# Altium PCB SPEC-A7.PcbDoc (part 1 of 10) (continued)
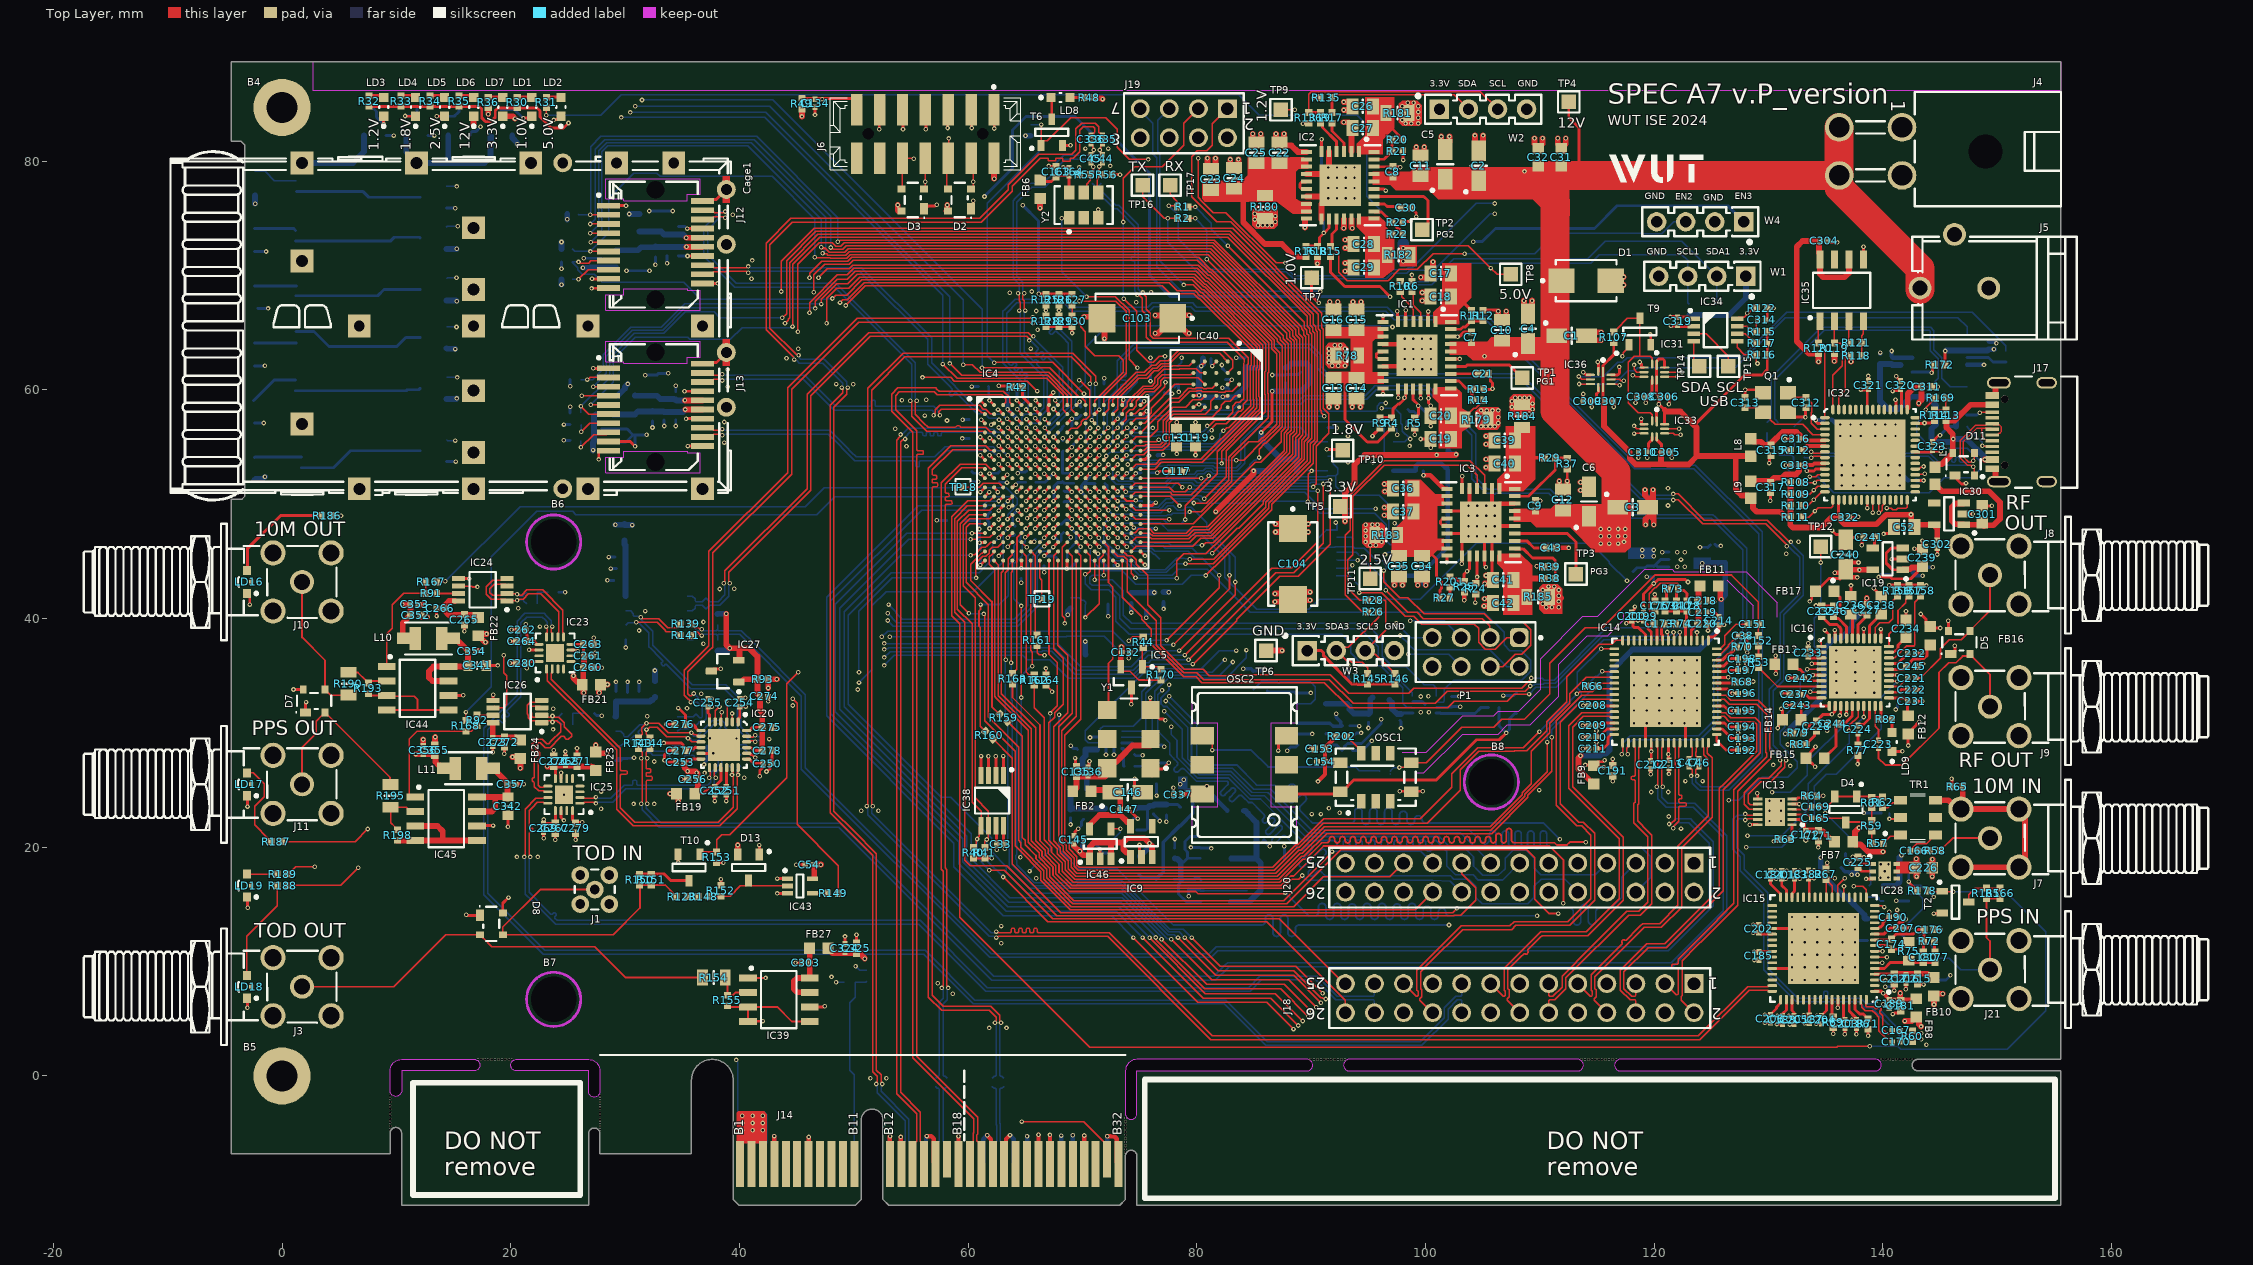
[diagram p0: Top Layer view]
## Components (designator, comment, footprint, x,y, rotation, side; value= is the part's Value field where it differs from the comment) (continued)
C64 "100nF" CAPC0603X33N 61.442,54.082 r0 bottom
C65 "100nF" CAPC0603X33N 63.131,55.18 r180 bottom
C66 "100nF" CAPC0603X33N 61.468,59.1 r0 bottom
C67 "4.7uF" CAPC1005X55N 61.336,60.277 r0 bottom
C68 "47uF" CAPC1608X100N 58.923,48.593 r0 bottom
C69 "470nF" CAPC0603X33N 61.336,48.593 r180 bottom
C70 "470nF" CAPC0603X33N 65.389,50.236 r180 bottom
C71 "470nF" CAPC0603X33N 73.617,53.458 r180 bottom
C72 "470nF" CAPC0603X33N 76.237,54.28 r180 bottom
C73 "470nF" CAPC0603X33N 75.368,56.673 r180 bottom
C74 "470nF" CAPC0603X33N 71.89,60.15 r270 bottom
C75 "470nF" CAPC0603X33N 73.541,58.245 r45 bottom
C76 "470nF" CAPC0603X33N 69.86,58.134 r270 bottom
C77 "470nF" CAPC0603X33N 71.852,55.466 r45 bottom
C78 "470nF" CAPC0603X33N 68.702,56.848 r0 bottom
C79 "470nF" CAPC0603X33N 74.671,59.134 r180 bottom
C80 "470nF" CAPC0603X33N 82.494,61.242 r90 bottom
C81 "4.7uF" CAPC1005X55N 76.703,59.769 r180 bottom
C82 "4.7uF" CAPC1005X55N 75.944,61.788 r270 bottom
C83 "47uF" CAPC1608X100N 78.303,61.293 r270 bottom
C84 "4.7uF" CAPC1005X55N 60.32,52.403 r270 bottom
C85 "4.7uF" CAPC1005X55N 62.733,52.403 r270 bottom
C86 "470nF" CAPC0603X33N 68.328,46.726 r0 bottom
C87 "470nF" CAPC0603X33N 62.325,49.341 r0 bottom
C88 "470nF" CAPC0603X33N 72.385,44.656 r0 bottom
C89 "470nF" CAPC0603X33N 61.071,45.662 r90 bottom
C90 "470nF" CAPC0603X33N 66.642,44.97 r90 bottom
C91 "470nF" CAPC0603X33N 75.623,47.872 r180 bottom
C92 "470nF" CAPC0603X33N 70.73,56.259 r270 bottom
C93 "470nF" CAPC0603X33N 64.101,47.722 r270 bottom
C94 "470nF" CAPC0603X33N 65.47,52.885 r180 bottom
C95 "470nF" CAPC0603X33N 69.585,45.428 r90 bottom
C96 "470nF" CAPC0603X33N 75.56,50.244 r180 bottom
C97 "470nF" CAPC0603X33N 64.631,43.853 r90 bottom
C98 "470nF" CAPC0603X33N 65.876,47.279 r90 bottom
C99 "470nF" CAPC0603X33N 75.488,45.088 r90 bottom
C100 "4.7uF" CAPC1005X55N 74.25,41.8 r90 bottom
C101 "4.7uF" CAPC1005X55N 77.084,41.862 r90 bottom
C102 "47uF" CAPC1608X100N 75.56,41.481 r90 bottom
C103 "330uF" CAPMP7343X190N 74.787,66.263 r180 top
C104 "330uF" CAPMP7343X190N 88.387,44.783 r270 top
C105 "100nF" CAPC0603X33N 69.07,53.071 r270 bottom
C106 "470nF" CAPC0603X33N 68.245,52.344 r90 bottom
C107 "4.7uF" CAPC1005X55N 67.054,50.229 r180 bottom
C108 "4.7uF" CAPC1005X55N 68.322,47.977 r90 bottom
C109 "4.7uF" CAPC1005X55N 69.648,51.83 r0 bottom
C110 "4.7uF" CAPC1005X55N 71.526,51.819 r180 bottom
C111 "4.7uF" CAPC1005X55N 66.281,48.643 r0 bottom
C112 "4.7uF" CAPC1005X55N 69.362,49.406 r0 bottom
C113 "470nF" CAPC0603X33N 71.456,48.285 r270 bottom
C114 "470nF" CAPC0603X33N 71.513,53.043 r90 bottom
C115 "470nF" CAPC0603X33N 71.513,50.665 r90 bottom
C116 "470nF" CAPC0603X33N 69.483,55.508 r45 bottom
C117 "4.7uF" CAPC1005X55N 78.227,52.886 r180 top
C118 "4.7uF" CAPC1005X55N 75.563,52.754 r0 bottom
C119 "47uF" CAPC1608X100N 79.878,55.832 r270 top
C120 "470nF" CAPC0603X33N 66.267,51.074 r180 bottom
C121 "470nF" CAPC0603X33N 70.661,53.036 r270 bottom
C122 "470nF" CAPC0603X33N 65.876,55.508 r270 bottom
C123 "470nF" CAPC0603X33N 67.466,55.457 r270 bottom
C124 "470nF" CAPC0603X33N 66.952,47.86 r0 bottom
C125 "470nF" CAPC0603X33N 69.882,48.274 r270 bottom
C126 "470nF" CAPC0603X33N 70.684,49.908 r90 bottom
C127 "470nF" CAPC0603X33N 70.659,48.288 r90 bottom
C128 "470nF" CAPC0603X33N 66.359,54.241 r0 bottom
C129 "470nF" CAPC0603X33N 69.889,53.057 r90 bottom
C130 "470nF" CAPC0603X33N 69.976,54.601 r90 bottom
C131 "47uF" CAPC1608X100N 78.227,55.832 r270 top
C132 "100nF" CAPC0603X33N 73.782,37.036 r180 top
C133 "100nF" CAPC0603X33N 99.436,52.911 r180 bottom
C134 "100nF" CAPC0603X33N 46.604,85.058 r90 top
C135 "4.7uF" CAPC1005X55N 69.464,26.622 r270 top
C136 "100nF" CAPC0603X33N 70.48,26.622 r270 top
C137 "100nF" CAPC0603X33N 69.91,28.554 r0 bottom
C138 "10nF" CAPC1005X55N 74.55,28.5 r90 bottom
C139 "100nF" CAPC2012X88N 76.446,26.455 r90 bottom
C140 "4.7uF" CAPC1005X55N 77.335,23.28 r90 bottom
C141 "100nF" CAPC0603X33N 76.192,23.28 r90 bottom
C142 "4.7uF" CAPC1005X55N 70.096,22.899 r90 bottom
C143 "100nF" CAPC0603X33N 68.953,22.93 r90 bottom
C144 "4.7uF" CAPC1005X55N 70.55,20.5 r180 bottom
C145 "100nF" CAPC0603X33N 69.25,20.65 r270 top
C146 "10uF" CAPMP3216X180N 73.95,24.8 r0 top
C147 "100nF" CAPC0603X33N 73.655,23.32 r180 top
C148 "100nF" CAPC0603X33N 97.85,31.3 r90 bottom
C149 "10nF" CAPC1005X55N 102.25,32.8 r270 bottom
C150 "100nF" CAPC2012X88N 107.95,32.6 r270 bottom
C151 "10nF" CAPC1005X55N 128.65,39.5 r180 top
C152 "10nF" CAPC1005X55N 129.116,38.07 r270 top
C153 "4.7uF" CAPC1005X55N 90.75,28.6 r0 top
C154 "100nF" CAPC0603X33N 90.85,27.5 r0 top
C155 "4.7uF" CAPC1005X55N 86.15,34.1 r90 bottom
C156 "100nF" CAPC0603X33N 87.15,34 r90 bottom
C157 "10uF" CAPMP3216X180N 93.35,33.4 r90 bottom
C158 "100nF" CAPC0603X33N 95,31.283 r90 bottom
C159 "4.7uF" CAPC1005X55N 78.05,19.5 r270 bottom
C160 "100nF" CAPC0603X33N 79.25,16.7 r90 bottom
C161 "10uF" CAPMP3216X180N 86.35,19 r0 bottom
C162 "100nF" CAPC0603X33N 85.55,20.6 r180 bottom
C163 "4.7uF" CAPC1005X55N 67.686,79.073 r270 top
C164 "100nF" CAPC0603X33N 68.829,79.073 r270 top
C165 "100nF" CAPC0603X33N 134.123,22.536 r180 top
C166 "100nF" CAPC0603X33N 142.75,19.7 r180 top
C167 "100nF" CAPC0603X33N 141.17,3.991 r180 top
C168 "100nF" CAPC0603X33N 140.2,23 r180 bottom
C169 "100nF" CAPC0603X33N 134.123,23.552 r180 top
C170 "100nF" CAPC0603X33N 141.17,2.975 r180 top
C171 "4.7uF" CAPC1005X55N 134.35,21 r90 top
C172 "100nF" CAPC0603X33N 133.25,21.1 r90 top
C173 "33pF" CAPC1005X55N 120.44,39.547 r0 top
C174 "150pF" CAPC1005X55N 140.727,11.53 r270 top
C175 "220nF" CAPC1005X55N 120.05,41.1 r270 top
C176 "220nF" CAPC1005X55N 144.029,12.8 r180 top
C177 "10nF" CAPC1005X55N 144.537,10.387 r90 top
C178 "33pF" CAPC1005X55N 122.85,41.1 r270 top
C179 "220nF" CAPC1005X55N 120.95,41.1 r90 top
C180 "470pF" CAPC1005X55N 143.521,10.387 r90 top
C181 "4.7uF" CAPC1005X55N 141.556,6.153 r90 top
C182 "100nF" CAPC0603X33N 133.488,17.626 r270 top
C183 "100nF" CAPC0603X33N 132.25,17.6 r270 top
C184 "100nF" CAPC0603X33N 130.15,17.6 r270 top
C185 "100nF" CAPC0603X33N 129.15,10.5 r90 top
C186 "100nF" CAPC0603X33N 137.679,4.545 r90 top
C187 "100nF" CAPC0603X33N 133.552,4.958 r90 top
C188 "100nF" CAPC0603X33N 131.202,4.895 r90 top
C189 "100nF" CAPC0603X33N 140.55,6.3 r90 top
C190 "100nF" CAPC0603X33N 140.886,13.896 r180 top
C191 "4.7uF" CAPC1005X55N 116.37,26.708 r90 top
C192 "100nF" CAPC0603X33N 127.679,28.498 r180 top
C193 "100nF" CAPC0603X33N 127.679,29.514 r180 top
C194 "100nF" CAPC0603X33N 127.679,30.53 r180 top
C195 "100nF" CAPC0603X33N 127.679,31.927 r180 top
C196 "100nF" CAPC0603X33N 127.679,33.451 r180 top
C197 "100nF" CAPC0603X33N 127.679,35.483 r180 top
C198 "100nF" CAPC0603X33N 127.679,36.499 r180 top
C199 "100nF" CAPC0603X33N 119.043,40.182 r270 top
C200 "100nF" CAPC0603X33N 118.027,40.182 r270 top
C201 "100nF" CAPC0603X33N 131.15,17.6 r270 top
C202 "100nF" CAPC0603X33N 129.133,12.884 r270 top
C203 "100nF" CAPC0603X33N 136.663,4.545 r90 top
C204 "100nF" CAPC0603X33N 134.631,4.92 r90 top
C205 "100nF" CAPC0603X33N 132.218,4.895 r90 top
C206 "100nF" CAPC0603X33N 130.15,5 r90 top
C207 "100nF" CAPC0603X33N 141.489,12.927 r180 top
C208 "100nF" CAPC0603X33N 114.598,32.435 r0 top
C209 "100nF" CAPC0603X33N 114.598,30.657 r0 top
C210 "100nF" CAPC0603X33N 114.598,29.641 r0 top
C211 "100nF" CAPC0603X33N 114.598,28.625 r0 top
C212 "100nF" CAPC0603X33N 119.678,27.228 r90 top
C213 "100nF" CAPC0603X33N 121.28,27.257 r90 top
C214 "100nF" CAPC0603X33N 125.647,39.801 r270 top
C215 "4.7uF" CAPC1005X55N 143.013,8.482 r90 top
C216 "100nF" CAPC0603X33N 141.997,8.482 r90 top
C217 "10nF" CAPC1005X55N 140.981,8.482 r90 top
C218 "4.7uF" CAPC1005X55N 124.25,41.579 r180 top
C219 "100nF" CAPC0603X33N 124.25,40.563 r180 top
C220 "10nF" CAPC1005X55N 124.25,39.547 r180 top
C221 "100nF" CAPC0603X33N 142.521,34.801 r0 top
C222 "100nF" CAPC0603X33N 142.521,33.785 r0 top
C223 "100nF" CAPC0603X33N 139.6,29 r270 top
C224 "100nF" CAPC0603X33N 137.8,30.3 r270 top
C225 "1uF" CAPC1005X55N 137.802,18.695 r270 top
C226 "10uF" CAPC1608X80N 143.562,18.213 r180 top
C227 "2.2nF" CAPC1005X55N 138.584,40.77 r270 top
C228 "15nF" CAPC1005X55N 134.2,30.6 r90 top
C229 "1uF" CAPC1005X55N 119.95,44.1 r90 bottom
C230 "10uF" CAPC1608X80N 125.05,45.6 r270 bottom
C231 "100nF" CAPC0603X33N 142.521,32.769 r180 top
C232 "100nF" CAPC0603X33N 142.521,36.96 r180 top
C233 "470nF" CAPC0603X33N 133.461,37.027 r270 top
C234 "10uF" CAPC1608X80N 142.013,39.119 r270 top
C235 "10nF" CAPC1005X55N 134.647,40.643 r270 top
C236 "10uF" CAPC1608X80N 137.187,41.151 r270 top
C237 "1uF" CAPC1005X55N 132.3,33.4 r0 top
C238 "10uF" CAPC1608X80N 139.854,41.151 r270 top
C239 "2.2uF" CAPC1608X90N 143.451,45.297 r270 top
C240 "10uF" CAPMP3216X180N 136.75,45.6 r90 top
C241 "470pF" CAPC1005X55N 138.806,47.12 r0 top
C242 "100nF" CAPC0603X33N 132.742,34.801 r0 top
C243 "100nF" CAPC0603X33N 132.5,32.4 r0 top
C244 "1uF" CAPC1005X55N 135.6,30.8 r0 top
C245 "1uF" CAPC1005X55N 142.521,35.817 r180 top
C246 "1uF" CAPC1005X55N 135.663,40.643 r270 top
C247 "10nF" CAPC1005X55N 29.45,43.346 r0 bottom
C248 "100nF" CAPC0603X33N 29.577,44.362 r0 bottom
C249 "4.7uF" CAPC1005X55N 29.577,45.378 r0 bottom
C250 "100nF" CAPC0603X33N 42.439,27.313 r180 top
C251 "100nF" CAPC0603X33N 38.848,24.931 r90 top
C252 "100nF" CAPC0603X33N 37.832,24.931 r90 top
C253 "100nF" CAPC0603X33N 34.819,27.44 r0 top
C254 "100nF" CAPC0603X33N 40.026,32.647 r270 top
C255 "100nF" CAPC0603X33N 37.232,32.647 r270 top
C256 "4.7uF" CAPC1005X55N 35.927,25.947 r0 top
C257 "10nF" CAPC1005X55N 29.196,33.186 r270 bottom
C258 "100nF" CAPC0603X33N 30.212,33.186 r270 bottom
C259 "4.7uF" CAPC1005X55N 31.228,33.186 r270 bottom
C260 "4.7uF" CAPC1005X55N 26.794,35.725 r180 top
C261 "100nF" CAPC0603X33N 26.794,36.741 r180 top
C262 "100nF" CAPC0603X33N 20.952,39.027 r0 top
C263 "10nF" CAPC1005X55N 26.794,37.757 r180 top
C264 "10nF" CAPC1005X55N 20.952,38.011 r0 top
C265 "4.7uF" CAPC1005X55N 15.95,39.9 r90 top
C266 "100nF" CAPC0603X33N 13.85,40.9 r0 top
C267 "4.7uF" CAPC1005X55N 23.888,21.679 r90 top
C268 "100nF" CAPC0603X33N 24.777,27.521 r270 top
C269 "100nF" CAPC0603X33N 22.872,21.679 r90 top
C270 "10nF" CAPC1005X55N 23.761,27.521 r270 top
C271 "10nF" CAPC1005X55N 25.793,27.521 r270 top
C272 "4.7uF" CAPC1005X55N 19.441,29.202 r90 top
C273 "100nF" CAPC0603X33N 18.425,29.202 r90 top
C274 "100nF" CAPC0603X33N 42.15,33.2 r180 top
C275 "10nF" CAPC1005X55N 42.439,30.488 r180 top
C276 "10nF" CAPC1005X55N 34.819,30.742 r0 top
C277 "10nF" CAPC1005X55N 34.819,28.456 r0 top
C278 "10nF" CAPC1005X55N 42.439,28.456 r180 top
C279 "10nF" CAPC1005X55N 25.666,21.679 r90 top
C280 "10nF" CAPC1005X55N 20.952,36.106 r0 top
C281 "100nF" CAPC0603X33N 26.935,71.061 r270 bottom
C282 "1uF" CAPC1005X55N 27.951,71.061 r270 bottom
C283 "10uF" CAPC1608X80N 31.126,71.315 r90 bottom
C284 "1uF" CAPC1005X55N 32.65,72.077 r90 bottom
C285 "100nF" CAPC0603X33N 33.666,72.077 r90 bottom
C286 "100nF" CAPC0603X33N 34.682,72.077 r90 bottom
C287 "10uF" CAPC1608X80N 33.158,74.744 r270 bottom
C288 "100nF" CAPC0603X33N 34.65,73.935 r270 bottom
C289 "100nF" CAPC0603X33N 27.57,56.583 r180 bottom
C290 "1uF" CAPC1005X55N 27.697,55.44 r180 bottom
C291 "10uF" CAPC1608X80N 30.872,56.964 r90 bottom
C292 "1uF" CAPC1005X55N 32.396,57.726 r90 bottom
C293 "100nF" CAPC0603X33N 33.412,57.726 r90 bottom
C294 "100nF" CAPC0603X33N 34.428,57.726 r90 bottom
C295 "10uF" CAPC1608X80N 32.777,60.393 r270 bottom
C296 "100nF" CAPC0603X33N 34.428,59.504 r270 bottom
C297 "100nF" CAPC0603X33N 142.55,52.1 r0 bottom
C298 "100nF" CAPC0603X33N 135.15,57.4 r180 bottom
C299 "100nF" CAPC0603X33N 149.25,63.9 r270 bottom
C300 "4.7uF" CAPC1005X55N 139.75,62.7 r270 bottom
C301 "10uF" CAPC1608X80N 148.691,49.128 r270 top
C302 "100nF" CAPC0603X33N 144.75,46.5 r90 top
C303 "100nF" CAPC0603X33N 45.789,9.895 r0 top
C304 "100nF" CAPC0603X33N 134.864,73.021 r180 top
C305 "100nF" CAPC0603X33N 121.026,54.562 r180 top
C306 "100nF" CAPC0603X33N 120.899,59.388 r180 top
C307 "100nF" CAPC0603X33N 116.073,59.007 r180 top
C308 "100nF" CAPC0603X33N 118.867,59.388 r0 top
C309 "100nF" CAPC0603X33N 114.168,59.007 r0 top
C310 "100nF" CAPC0603X33N 118.994,54.562 r0 top
C311 "4.7uF" CAPC1005X55N 143.811,60.291 r180 top
C312 "22pF" CAPC1005X55N 133.27,58.894 r90 top
C313 "22pF" CAPC1005X55N 127.936,58.894 r270 top
C314 "100nF" CAPC0603X33N 129.408,66.119 r0 top
C315 "4.7uF" CAPC1005X55N 130.222,54.703 r90 top
C316 "100nF" CAPC0603X33N 132.381,55.719 r0 top
C317 "4.7uF" CAPC1005X55N 130.168,51.466 r90 top
C318 "100nF" CAPC0603X33N 132.329,53.419 r0 top
C319 "100nF" CAPC0603X33N 122.042,65.992 r270 top
C320 "100nF" CAPC0603X33N 141.525,60.418 r270 top
C321 "100nF" CAPC0603X33N 138.731,60.418 r270 top
C322 "100nF" CAPC0603X33N 136.699,48.861 r180 top
C323 "100nF" CAPC0603X33N 144.319,55.084 r270 top
C324 "100nF" CAPC0603X33N 49.213,11.183 r270 top
C325 "4.7uF" CAPC1005X55N 50.229,11.183 r270 top
C326 "470nF" CAPC0603X33N 80.767,59.007 r90 bottom
C327 "470nF" CAPC0603X33N 80.894,62.741 r180 bottom
C328 "470nF" CAPC0603X33N 82.799,59.718 r270 bottom
C329 "1uF" CAPC1005X55N 89.05,61.9 r90 bottom
C330 "1uF" CAPC1005X55N 84.25,62.4 r270 bottom
C331 "100nF" CAPC0603X33N 140.75,62.6 r270 bottom
C332 "100nF" CAPC0603X33N 99.85,43.8 r270 bottom
C333 "47pF" CAPC1005X55N 132.35,52.8 r270 bottom
C334 "47pF" CAPC1005X55N 132.25,56.35 r270 bottom
C335 "100nF" CAPC0603X33N 71.75,81.9 r270 top
C336 "100nF" CAPC0603X33N 70.75,81.9 r270 top
C337 "100nF" CAPC0603X33N 78.35,24.6 r0 top
C338 "470pF" CAPC1005X55N 72.35,19.9 r90 bottom
C339 "470pF" CAPC1005X55N 84.25,16.7 r90 bottom
C340 "33pF" CAPC1005X55N 121.95,41.1 r270 top
C341 "47uF" CAPC1608X100N 17.05,35.9 r180 top
C342 "47uF" CAPC1608X100N 19.75,23.6 r90 top
C343 "100nF" CAPC0603X33N 93.047,30.631 r0 bottom
C344 "1uF" CAPC1005X55N 93.15,29.65 r180 bottom
C345 "1uF" CAPC1005X55N 93.15,28.474 r180 bottom
C351 "100nF" CAPC0603X33N 141.8,17.6 r180 bottom
C352 "4.7uF" CAPC1005X55N 11.7,40.3 r180 top
C353 "100nF" CAPC0603X33N 11.581,41.238 r180 top
C354 "100nF" CAPC0603X33N 16.6,37.158 r180 top
C355 "4.7uF" CAPC1005X55N 13.35,28.5 r270 top
C356 "100nF" CAPC0603X33N 12.35,28.5 r270 top
C357 "100nF" CAPC0603X33N 20.059,25.516 r180 top
Cage1 "SFP+" TYCO_2007263-1 32.65,65.6 r0 top locked
D1 "SMBJ12A" DIOM5336X265N 114.041,69.548 r0 top
D2 "D1213A-02SR-7" SOT190P238X100-4N 59.25,76.6 r180 top
D3 "D1213A-02SR-7" SOT190P238X100-4N 55.15,76.6 r180 top
D4 "BAV99" SOT95P240X110-3N 136.75,23.3 r270 top
D5 "D1213A-02SR-7" SOT190P238X100-4N 146.672,37.917 r90 top
D6 "D1213A-02SR-7" SOT190P238X100-4N 143.7,9.35 r0 bottom
D7 "D1213A-02SR-7" SOT190P238X100-4N 2.8,32.8 r90 top
D8 "D1213A-02SR-7" SOT190P238X100-4N 18.3,13.3 r0 top
D11 "D1213A-02SR-7" SOT190P238X100-4N 147.05,53.5 r90 top
D13 "BAV99" SOT95P240X110-3N 40.791,18.228 r270 top
D16 "BAV99" SOT95P240X110-3N 139.8,12.8 r0 bottom
FB1 "220R@100MHz" INDC1608X95N 101.952,53.795 r270 bottom
FB2 "220R@100MHz" INDC1608X95N 69.95,24.9 r180 top
FB3 "220R@100MHz" INDC1608X95N 69.588,25.058 r0 bottom
FB4 "220R@100MHz" INDC1608X95N 96.05,32.9 r0 bottom
FB5 "220R@100MHz" INDC1608X95N 83.45,23.2 r180 bottom
FB6 "220R@100MHz" INDC1608X95N 66.289,77.549 r90 top
FB7 "220R@100MHz" INDC1608X95N 136.55,20.5 r180 top
FB8 "220R@100MHz" INDC1608X95N 142.901,5.957 r90 top
FB9 "220R@100MHz" INDC1608X95N 114.719,26.327 r90 top
FB10 "220R@100MHz" INDC1608X95N 144.45,7.8 r90 top
FB11 "220R@100MHz" INDC1608X95N 124.799,42.849 r180 top
FB12 "220R@100MHz" INDC1608X95N 142.2,30.7 r90 top
FB13 "220R@100MHz" INDC1608X95N 131.332,36.016 r0 top
FB14 "220R@100MHz" INDC1608X95N 132.027,31.17 r0 top
FB15 "220R@100MHz" INDC1608X95N 134.061,27.804 r0 top
FB16 "220R@100MHz" INDC1608X95N 144.15,38.5 r270 top
FB17 "220R@100MHz" INDC1608X95N 134.9,42.4 r0 top
FB18 "220R@100MHz" INDC1608X95N 29.95,47.5 r270 bottom
FB19 "220R@100MHz" INDC1608X95N 35.292,24.677 r0 top
FB20 "220R@100MHz" INDC1608X95N 32.607,33.844 r270 bottom
FB21 "220R@100MHz" INDC1608X95N 27.048,34.201 r180 top
FB22 "220R@100MHz" INDC1608X95N 17.15,39.3 r90 top
FB23 "220R@100MHz" INDC1608X95N 27.444,27.521 r270 top
FB24 "220R@100MHz" INDC1608X95N 20.838,28.567 r90 top
FB25 "220R@100MHz" INDC1608X95N 78.55,22.7 r270 bottom
FB26 "220R@100MHz" INDC1608X95N 74.95,18.4 r270 bottom
FB27 "220R@100MHz" INDC1608X95N 46.927,11.183 r180 top
FB28 "220R@100MHz" INDC1608X95N 84.95,34.6 r90 bottom
FB29 "220R@100MHz" INDC1608X95N 77.25,17.2 r180 bottom
FB32 "220R@100MHz" INDC1608X95N 136.35,19 r90 bottom
FB33 "220R@100MHz" INDC1608X95N 118.15,44.9 r270 bottom
FB34 "220R@100MHz" INDC1608X95N 141.75,44 r180 bottom
IC1 "MPM54304GMN-002" MPS_MPM54304GMN 99.241,63.029 r270 top
IC2 "MPM54304GMN-002" MPS_MPM54304GMN 92.536,77.89 r270 top
IC3 "MPM54304GMN-002" MPS_MPM54304GMN 104.829,48.424 r270 top
IC4 "XC7A35T-2CSG325I" CSG325 68.264,51.876 r0 top
IC5 "MCP121T-315E/TT" SOT-23-TT3_L 74.29,34.877 r270 top
IC6 "MX25L12835FZNI-10G" SON127P600X500X80-9N-R350X410 94.314,54.817 r0 bottom
IC7 "AD5683BCPZ-RL7" SON50P200X60_HS-9N 72.382,29.376 r0 bottom
IC8 "MCP1802T-3002I/OT" SOT95P270X145-5N 73.318,22.452 r180 bottom
IC9 "MCP1802T-3002I/OT" SOT95P270X145-5N 75.15,20.5 r90 top
IC10 "AD5683BCPZ-RL7" SON50P200X60_HS-9N 99.95,32.5 r0 bottom
IC11 "MCP1802T-3002I/OT" SOT95P270X145-5N 89.95,33.5 r0 bottom
IC12 "MCP1802T-3002I/OT" SOT95P270X145-5N 81.63,19.987 r0 bottom
IC13 "LTC6957IDD-2" SON45P300X300X80-13N-R175X248 130.55,23.1 r180 top
IC14 "AD9516-4BCPZ" ADI-CP-64-4_N 120.984,33.608 r270 top
IC15 "AD9516-4BCPZ" ADI-CP-64-4_N 134.8,11.15 r180 top
IC16 "LMX2572RHA" QFN50P600X600X100-41N-S460 137.568,35.309 r0 top
IC17 "CD74HC4066PWR" CD74HC4066PWR 95.077,45.691 r0 bottom
IC18 "NCP187AMT330TAG" SON65P200X200X80-7N-R110X170 122.337,45.161 r0 bottom
IC19 "MIC5219-3.3YM5" SOT95P280X145-5N 140.413,45.215 r180 top
IC20 "NB6L295MNG" QFN50P400X400X80-25N-S280 38.629,28.964 r270 top
IC21 "MC100EP52DG" SOIC127P600X175-8N 32.752,40.044 r180 bottom
IC22 "MC100EP52DG" SOIC127P600X175-8N 31.863,29.503 r180 bottom
IC23 "ADCLK925BCPZ-R7" ADI-CP-16-3_L 23.873,36.995 r90 top
IC24 "SN65LVELT23DGKR" DGK0008A_L 17.538,42.52 r180 top
IC25 "ADCLK925BCPZ-R7" ADI-CP-16-3_L 24.65,24.6 r180 top
IC26 "SN65LVELT23DGKR" DGK0008A_L 20.584,31.869 r180 top
IC27 "TLV431IDBZR" DBZ0003A_N 38.75,35.4 r180 top
IC28 "NCP187AMT330TAG" SON65P200X200X80-7N-R110X170 140.15,17.9 r0 top
IC29 "FT230XS-R" FP-SSOP-16-MFG 144.95,62.5 r180 bottom
IC30 "MIC5219-3.3YM5" SOT95P280X145-5N 145.775,49.16 r180 top
IC31 "SN74AVC2T245RSWR" QFN40P140X180X55-10N 120.01,61.547 r270 top
IC32 "FT4232H-56Q" QFN50P800X800X100-57N-S620 138.871,54.326 r0 top
IC33 "SN74AVC2T245RSWR" QFN40P140X180X55-10N 120.01,56.594 r270 top
IC34 "PCA9306DCTR" SOP65P400X130-8N 125.344,65.23 r0 top
IC35 "M93C46-WMN6TP" SOIC127P600X175-8N 136.388,68.703 r90 top
IC36 "SN74AVC2T245RSWR" QFN40P140X180X55-10N 115.311,60.912 r270 top
IC37 "DS18B20U+" SOP65P490X110-8N 71.242,39.068 r270 bottom
IC38 "24LC64-I/MS" SOP65P490X110-8N 62.098,24.082 r270 top
IC39 "NB3U1548CD" SOIC127P600X175-8N 43.438,6.673 r0 top
IC40 "S27KS0642GABHV02" BGA24C100P5X5_600X800X100 81.697,60.48 r270 top
IC41 "MIC5365-2.7YC5TR" SOT65P210X110-5N 86.643,61.277 r180 bottom
IC42 "74HCT1G125GW" SOT65P210X110-5N 141.15,15.95 r180 bottom
IC43 "74HCT1G125GW" SOT65P210X110-5N 45.283,16.615 r0 top
IC44 "NB3U1548CD" SOIC127P600X175-8N 11.85,33.9 r0 top
IC45 "NB3U1548CD" SOIC127P600X175-8N 14.35,22.5 r0 top
IC46 "MIC5219-3.3YM5" SOT95P280X145-5N 71.55,20.3 r90 top
IC47 "MIC5219-3.3YM5" SOT95P280X145-5N 81.65,16.2 r0 bottom
IC48 "REF35300QDBVR" SOT95P280X145-6N 90.078,29.909 r0 bottom
J1 "MMCX-10" SAMTEC_MMCX-J-P-H-ST-TH1 27.35,16.3 r180 top
J3 "Delock_65848" Delock_65848 1.75,7.8 r0 top locked
J4 "Mini-Fit Jr.™" MOLEX_39-30-0040 138.916,80.851 r270 top locked
J5 "Jack" CUI_PJ-102BH 149.25,68.9 r90 top locked
J6 "Milli-Grid™" MOLEX_87832-1420 56.256,82.391 r180 top locked
J7 "Delock_65848" Delock_65848 149.35,20.8 r180 top locked
J8 "Delock_65848" Delock_65848 149.35,43.8 r180 top locked
J9 "Delock_65848" Delock_65848 149.35,32.3 r180 top locked
J10 "Delock_65848" Delock_65848 1.75,43.2 r0 top locked
J11 "Delock_65848" Delock_65848 1.75,25.5 r0 top locked
J12 "SFP+" MOLEX_74441-0001 32.65,72.712 r0 top
J13 "SFP+" MOLEX_74441-0001 32.65,58.488 r0 top
J14 "PCI Express x4" "PCI Express x4" 39.45,-11.3 r0 top
J17 "USB4105-GF-A" FP-USB4105-GF-A-MFG 153.15,56.3 r90 top
J18 "61302621121" 61302621121 108.231,6.81 r180 top locked
J19 "61300821121" 61300821121#1 78.862,83.315 r180 top
J20 "61302621121" 61302621121 108.231,17.351 r180 top locked
J21 "Delock_65848" Delock_65848 149.35,9.3 r180 top locked
L1 "220R@100MHz" INDC1005X55N 65.466,51.925 r180 bottom
L2 "220R@100MHz" INDC1005X55N 68.284,55.101 r90 bottom
L3 "120R@100MHz" INDC1608X65N 29.221,71.442 r90 bottom
L4 "120R@100MHz" INDC1608X65N 31.253,74.617 r270 bottom
L5 "120R@100MHz" INDC1608X65N 28.205,57.853 r0 bottom
L6 "120R@100MHz" INDC1608X65N 30.11,59.504 r0 bottom
L7 "120R@100MHz" INDC1608X65N 144.55,52.5 r270 top
L8 "120R@100MHz" INDC1608X65N 128.444,54.957 r90 top
L9 "120R@100MHz" INDC1608X65N 128.444,51.274 r90 top
L10 "1uH" IND_MURATA_LQH32C 12.8,38.263 r0 top
L11 "1uH" IND_MURATA_LQH32C 16.3,26.9 r0 top
LD1 "Green" LED_KINGBRIGHT_KPH-1608CGCK 21.839,84.75 r90 top
LD2 "Green" LED_KINGBRIGHT_KPH-1608CGCK 24.379,84.75 r90 top
LD3 "Green" LED_KINGBRIGHT_KPH-1608CGCK 8.885,84.75 r90 top
LD4 "Green" LED_KINGBRIGHT_KPH-1608CGCK 11.679,84.75 r90 top
LD5 "Green" LED_KINGBRIGHT_KPH-1608CGCK 14.219,84.75 r90 top
LD6 "Green" LED_KINGBRIGHT_KPH-1608CGCK 16.759,84.75 r90 top
LD7 "Green" LED_KINGBRIGHT_KPH-1608CGCK 19.299,84.75 r90 top
LD8 "Green" LED_KINGBRIGHT_KPH-1608CGCK 68.067,85.566 r0 top
LD9 "Green" LED_KINGBRIGHT_KPH-1608CGCK 140.8,29.2 r90 top
LD10 "Green" LED_AVAGO_HSME-C120 -2.4,78.1 r270 bottom
LD11 "Green" LED_AVAGO_HSME-C120 -2.4,53.1 r270 bottom
LD12 "Green" LED_AVAGO_HSME-C120 -2.4,73.1 r270 bottom
LD13 "Green" LED_AVAGO_HSME-C120 -2.4,68.1 r270 bottom
LD14 "Green" LED_AVAGO_HSME-C120 -2.4,63.1 r270 bottom
LD15 "Green" LED_AVAGO_HSME-C120 -2.4,58.1 r270 bottom
LD16 "Red" LED_AVAGO_HSMC-C120 -3.05,43.2 r90 top
LD17 "Red" LED_AVAGO_HSMC-C120 -3.05,25.5 r90 top
LD18 "Red" LED_AVAGO_HSMC-C120 -3.05,7.8 r90 top
LD19 "Red" LED_AVAGO_HSMC-C120 -3.05,16.65 r90 top
OSC1 "25MHz" OSC_CONNOR-WINFIELD_T 95.645,26.13 r90 top
OSC2 "20MHz" OSC_CONNOR-WINFIELD_DOT050V 84.15,27.2 r180 top locked
P1 "61300821121" 61300821121#2 104.38,37.07 r180 top
Q1 "12MHz" XTAL_TXC_7M 130.603,58.894 r270 top
R1 "0" RESC1005X40N 78.75,76 r0 top
R2 "0" RESC1005X40N 78.75,75 r0 top
R3 "10k" RESC1005X40N 98.45,57.8 r270 bottom
R4 "10k" RESC1005X40N 97.023,57.102 r270 top
R5 "10k" RESC1005X40N 99.055,57.102 r90 top
R6 "0" RESC1005X40N 98.801,69.04 r270 top
R7 "10k" RESC1005X40N 125.344,67.008 r270 bottom
R8 "10k" RESC1005X40N 123.058,67.008 r270 bottom
R9 "15k" RESC1005X40N 96.007,57.102 r90 top
R10 "0" RESC1005X40N 97.785,69.04 r270 top
R11 "10k" RESC1005X40N 104.008,66.5 r90 top
R12 "15k" RESC1005X40N 105.024,66.5 r270 top
R13 "7k5" RESC1005X40N 104.614,60.068 r180 top
R14 "15k" RESC1005X40N 104.628,59.103 r0 top
R15 "10k" RESC1005X40N 91.689,72.104 r270 top
R16 "10k" RESC1005X40N 89.53,72.104 r270 top
R17 "0" RESC1005X40N 91.816,83.788 r270 top
R18 "15k" RESC1005X40N 90.546,72.104 r90 top
R19 "0" RESC1005X40N 90.8,83.788 r270 top
R20 "10k" RESC1005X40N 97.531,81.883 r0 top
R21 "10k" RESC1005X40N 97.531,80.867 r180 top
R22 "11k" RESC1005X40N 97.531,73.628 r180 top
R23 "1k5" RESC1005X40N 97.531,74.644 r180 top
R24 "10k" RESC1005X40N 104.389,42.624 r270 top
R25 "7k5" RESC1005X40N 103.39,42.789 r90 top
R26 "0" RESC1005X40N 95.417,40.592 r180 top
R27 "12k" RESC1005X40N 101.65,41.8 r180 top
R28 "0" RESC1005X40N 95.417,41.608 r180 top
R29 "11k" RESC1005X40N 110.866,54.054 r180 top
R30 "10k" RESC1005X40N 20.569,85.131 r270 top
R31 "4k7" RESC1005X40N 23.109,85.131 r270 top
R32 "10k" RESC1005X40N 7.615,85.258 r270 top
R33 "10k" RESC1005X40N 10.409,85.258 r270 top
R34 "10k" RESC1005X40N 12.949,85.258 r270 top
R35 "10k" RESC1005X40N 15.489,85.258 r270 top
R36 "1k" RESC1005X40N 18.029,85.131 r270 top
R37 "2k2" RESC1005X40N 112.39,53.546 r90 top
R38 "68k" RESC1005X40N 110.866,43.513 r180 top
R39 "15k" RESC1005X40N 110.866,44.529 r0 top
R40 "2k2" RESC1005X40N 60.447,19.51 r270 top
R41 "2k2" RESC1005X40N 61.463,19.51 r270 top
R42 "100" RESC1005X40N 64.277,60.25 r180 top
R43 "10k" RESC1005X40N 68.194,45.291 r180 bottom
R44 "0" RESC1005X40N 75.306,37.925 r270 top
R45 "4k7" RESC1005X40N 89.234,52.912 r0 bottom
R46 "4k7" RESC1005X40N 89.234,55.452 r0 bottom
R47 "4k7" RESC1005X40N 99.902,54.309 r180 bottom
R48 "1k" RESC1005X40N 70.607,85.566 r0 top
R49 "10k" RESC1005X40N 45.461,85.02 r270 top
R50 "300" RESC1005X40N 65.45,82.7 r270 bottom
R51 "100" RESC1005X40N 74.095,27.086 r0 bottom
R52 "100" RESC1005X40N 105.96,32.206 r0 bottom
R53 "49R9" RESC1005X40N 129.118,36.187 r270 top
R54 "4k7" RESC1005X40N 90.65,46.6 r270 bottom
R55 "120" RESC1005X40N 70.226,78.819 r0 top
R56 "120" RESC1005X40N 72.131,78.819 r180 top
R57 "100" RESC1005X40N 139.551,20.34 r180 top
R58 "0" RESC1005X40N 144.55,19.7 r180 top
R59 "300" RESC1005X40N 139.014,21.882 r270 top
R60 "100" RESC1005X40N 142.567,3.483 r90 top
R61 "300" RESC1005X40N 139.014,23.914 r270 top
R62 "100" RESC1005X40N 139.961,23.924 r90 top
R63 "0" RESC1005X40N 131.45,20.7 r0 top
R64 "0" RESC1005X40N 133.75,24.5 r180 top
R65 "0" RESC1005X40N 146.5,25.3 r0 top
R66 "5k1" RESC1005X40N 114.598,34.086 r0 top
R67 "5k1" RESC1005X40N 135.012,17.626 r270 top
R68 "4k12" RESC1005X40N 127.679,34.467 r180 top
R69 "4k12" RESC1005X40N 135.65,4.7 r90 top
R70 "5k1" RESC1005X40N 127.679,37.515 r180 top
R71 "4k12" RESC1005X40N 138.695,4.545 r90 top
R72 "750" RESC1005X40N 144.029,11.784 r180 top
R73 "820" RESC1005X40N 121.621,42.595 r0 top
R74 "390" RESC1005X40N 122.345,39.547 r180 top
R75 "2k7" RESC1608X55N 142.251,10.895 r90 top
R76 "49R9" RESC1005X40N 141.45,33.2 r270 bottom
R77 "49R9" RESC1005X40N 137.8,28.5 r270 top
R78 "0R001" RESC2012X60N 93.15,63 r180 top
R79 "0" RESC1005X40N 132.6,30 r180 top
R80 "100" RESC1005X40N 144.035,12.05 r90 bottom
R81 "330" RESC1005X40N 132.8,29 r0 top
R82 "330" RESC1005X40N 140.3,31.2 r180 top
R83 "100" RESC1005X40N 142.5,12 r180 bottom
R84 "22" RESC1005X40N 138.8,16.1 r90 bottom
R85 "100" RESC1005X40N 37.07,41.314 r90 bottom
R86 "49R9" RESC1005X40N 38.086,39.917 r90 bottom
R87 "49R9" RESC1005X40N 38.086,37.631 r270 bottom
R88 "100" RESC1005X40N 36.181,31.154 r90 bottom
R89 "49R9" RESC1005X40N 36.689,28.868 r0 bottom
R90 "49R9" RESC1005X40N 36.689,27.598 r0 bottom
R91 "22" RESC1005X40N 13.05,42.2 r180 top
R92 "22" RESC1005X40N 17.05,31.1 r270 top
R93 "100" RESC1005X40N 42.05,34.7 r0 top
R94 "10k" RESC1005X40N 25.411,75.379 r180 bottom
R95 "10k" RESC1005X40N 24.903,69.664 r180 bottom
R96 "10k" RESC1005X40N 24.903,72.331 r180 bottom
R97 "240" RESC1005X40N 1.25,77.8 r90 bottom
R98 "10k" RESC1005X40N 24.903,71.188 r0 bottom
R99 "240" RESC1005X40N 1.692,53.662 r90 bottom
R100 "10k" RESC1005X40N 25.665,60.901 r180 bottom
R101 "10k" RESC1005X40N 25.665,55.567 r180 bottom
R102 "10k" RESC1005X40N 25.665,57.98 r180 bottom
R103 "10k" RESC1005X40N 25.665,56.964 r0 bottom
R104 "5k1" RESC1005X40N 49.652,8.207 r0 bottom
R105 "5k1" RESC1005X40N 146.85,56.8 r180 bottom
R106 "5k1" RESC1005X40N 146.85,57.8 r180 bottom
R107 "10k" RESC1005X40N 116.454,64.595 r270 top
R108 "10k" RESC1005X40N 132.381,51.909 r180 top
R109 "10k" RESC1005X40N 132.381,50.893 r180 top
R110 "10k" RESC1005X40N 132.381,49.877 r180 top
R111 "10k" RESC1005X40N 132.381,48.861 r180 top
R112 "12k" RESC1005X40N 132.381,54.703 r0 top
R113 "4k7" RESC1005X40N 145.507,57.767 r90 top
R114 "10k" RESC1005X40N 144.491,57.767 r90 top
R115 "200k" RESC1005X40N 129.408,65.103 r180 top
R116 "10k" RESC1005X40N 129.408,63.071 r0 top
R117 "10k" RESC1005X40N 129.408,64.087 r0 top
R118 "10k" RESC1005X40N 137.658,62.988 r180 top
R119 "10k" RESC1005X40N 135.753,63.623 r270 top
R120 "10k" RESC1005X40N 134.356,63.623 r270 top
R121 "2k2" RESC1005X40N 137.658,64.131 r180 top
R122 "2k2" RESC1005X40N 129.408,67.135 r180 top
R123 "100" RESC1005X40N 34.949,15.688 r0 top
R124 "4k7" RESC1005X40N 68.956,41.354 r270 bottom
R125 "no_value" RESC1005X40N 66.797,67.897 r90 top
R126 "0" RESC1005X40N 67.94,67.897 r90 top
R127 "no_value" RESC1005X40N 69.083,67.897 r90 top
R128 "0" RESC1005X40N 66.797,65.992 r90 top
R129 "no_value" RESC1005X40N 67.94,65.992 r90 top
R130 "0" RESC1005X40N 69.083,65.992 r90 top
R131 "240" RESC1005X40N 1.184,73.474 r90 bottom
R132 "240" RESC1005X40N 1.2,68.7 r90 bottom
R133 "240" RESC1005X40N 1.25,64.584 r270 bottom
R134 "240" RESC1005X40N 1.184,60.393 r90 bottom
R135 "10k" RESC1005X40N 91.308,85.566 r180 top
R136 "10k" RESC1005X40N 89.784,83.788 r270 top
R137 "0" RESC1005X40N 40.118,27.598 r270 bottom
R138 "0" RESC1005X40N 39.102,27.598 r270 bottom
R139 "0" RESC1005X40N 35.292,39.536 r180 top
R140 "0" RESC1005X40N 38.975,29.757 r270 bottom
R141 "0" RESC1005X40N 35.292,38.52 r180 top
R142 "0" RESC1005X40N 38.086,29.757 r270 bottom
R143 "0" RESC1005X40N 31.165,29.092 r90 top
R144 "0" RESC1005X40N 32.165,29.092 r90 top
R145 "10k" RESC1005X40N 94.927,34.731 r270 top
R146 "10k" RESC1005X40N 97.34,34.731 r270 top
R147 "0" RESC1005X40N 68.38,50.678 r270 bottom
R148 "100" RESC1005X40N 36.854,15.688 r0 top
R149 "22" RESC1005X40N 48.179,15.98 r0 top
R150 "100" RESC1005X40N 31.27,17.174 r270 top
R151 "100" RESC1005X40N 32.286,17.174 r270 top
R152 "4k7" RESC1005X40N 38.378,16.196 r270 top
R153 "4k7" RESC1005X40N 37.997,19.117 r90 top
R154 "33" RESC2012X60N 37.75,8.6 r0 top
R155 "DNP" RESC1005X40N 38.95,6.6 r270 top
R156 "0" RESC1005X40N 141.251,42.421 r90 top
R157 "0" RESC1005X40N 142.267,42.421 r90 top
R158 "0" RESC1005X40N 143.283,42.421 r90 top